# Altium PCB PCB-6P.PcbDoc
Units mm, origin at the board's own origin, x right, y up, seen from the top; angles counter-clockwise.
Board outline 90.04 x 64.01 mm, 2 copper layers (Top Layer, Bottom Layer); 82 components, 58 nets, 348 pads, 309 vias.
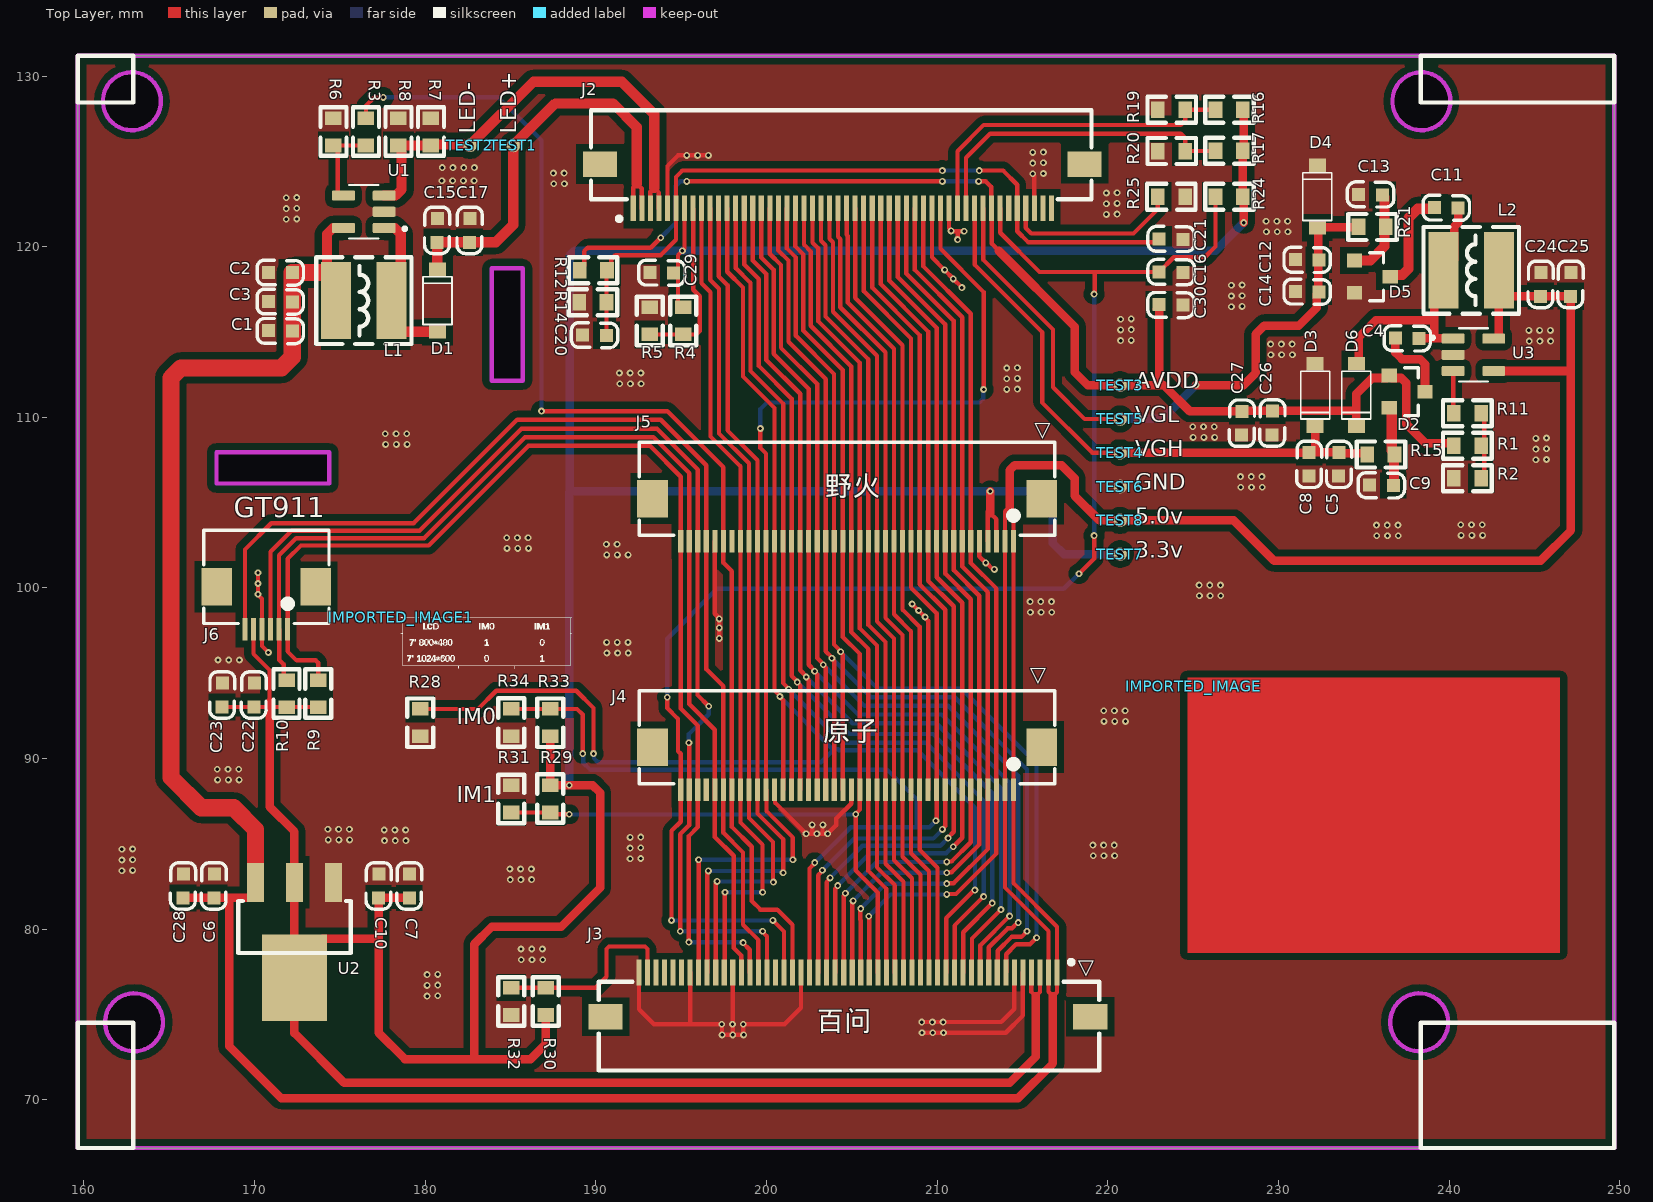
[diagram p0: Top Layer view]
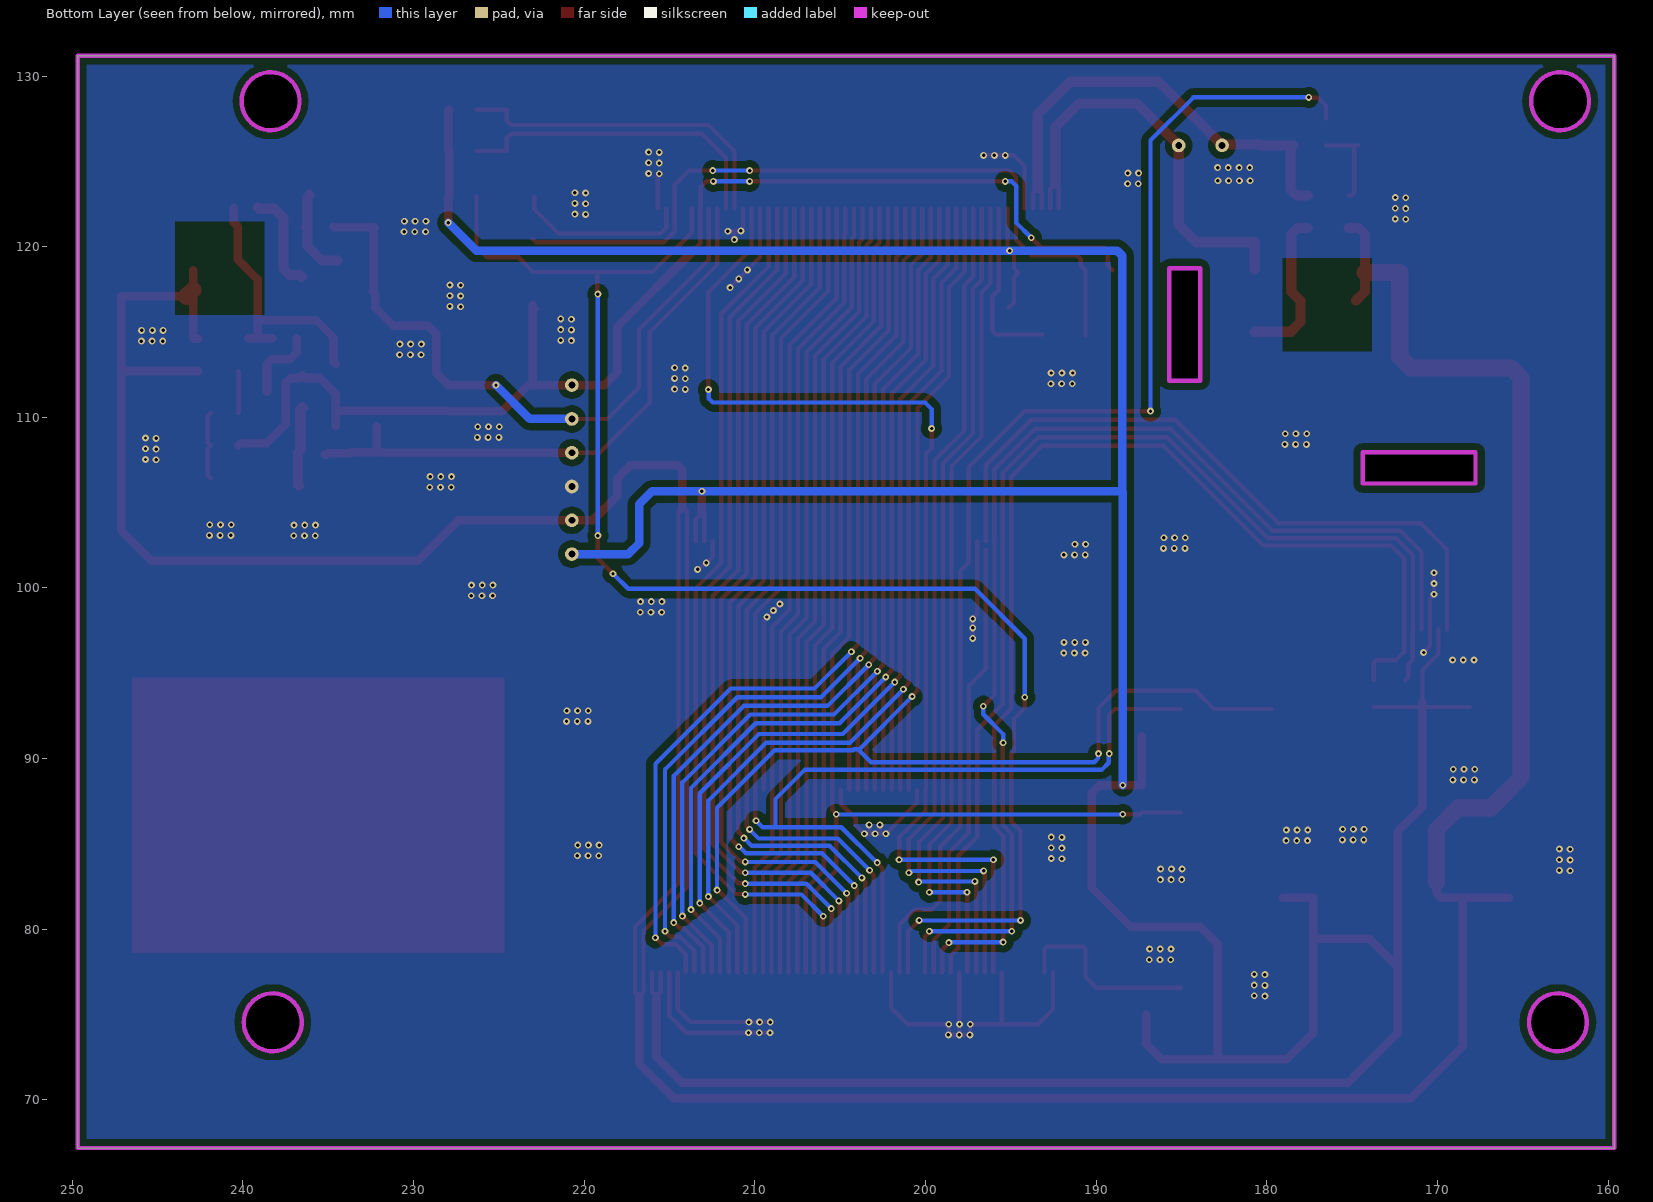
[diagram p1: Bottom Layer view, seen from below]
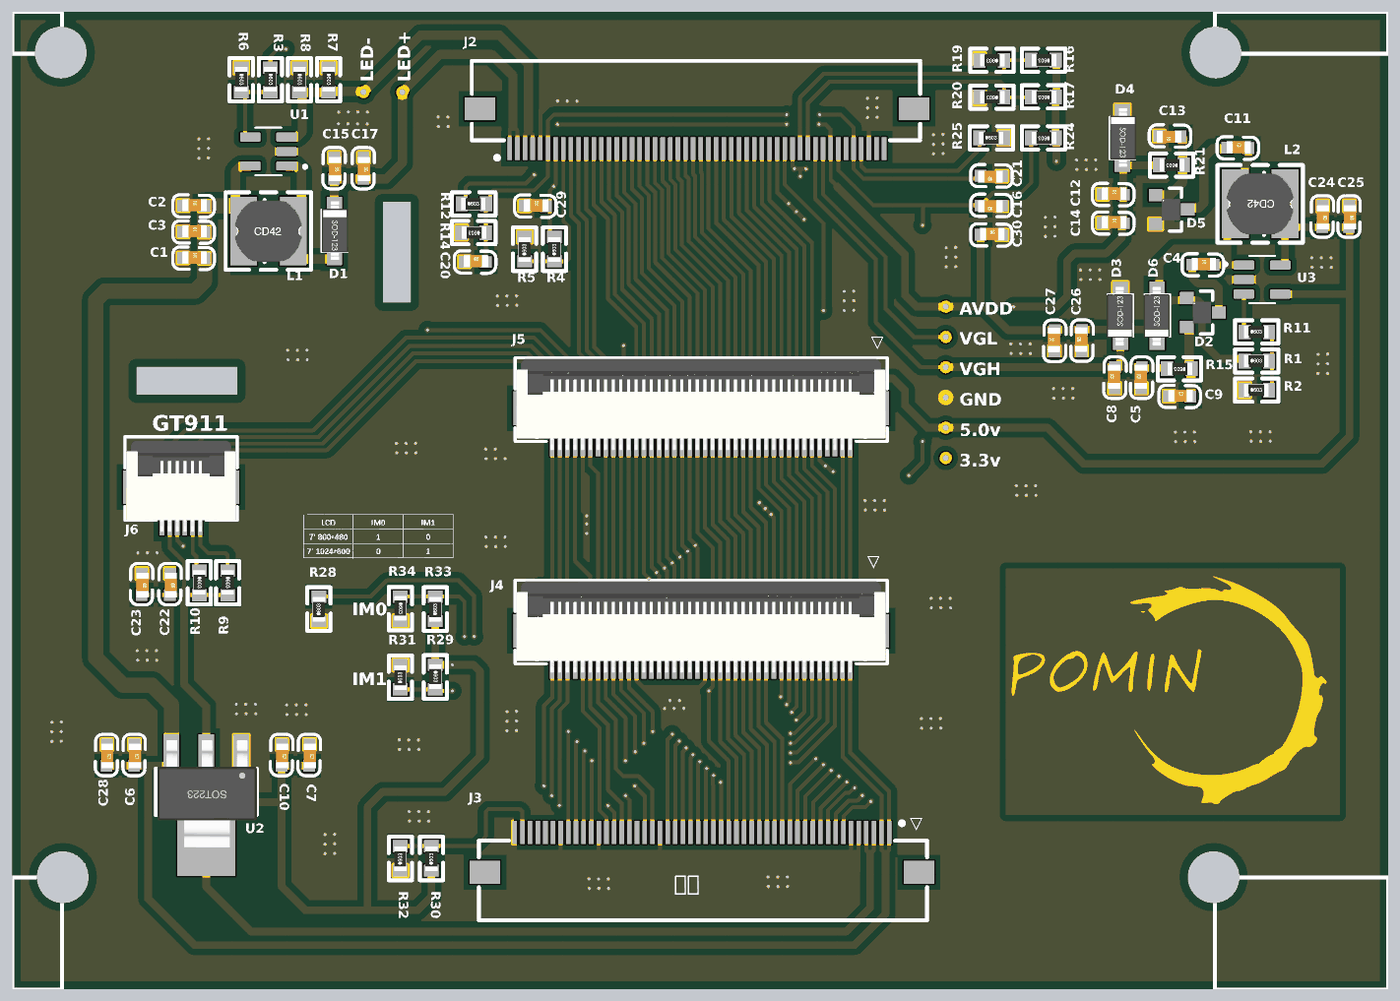
[diagram p2: 3D render of the assembled board from above, using the file's embedded part models]

## Layer stack, top to bottom
Top Solder: solder mask 0.0102, Solder Resist, Dk 3.5
Top Layer: signal copper 0.0356
Dielectric 1: dielectric 0.32, FR-4, Dk 4.8
Bottom Layer: signal copper 0.0356
Bottom Solder: solder mask 0.0102, Solder Resist, Dk 3.5

## Board outline
159.639,67.183 159.639,131.191 249.682,131.191 249.682,67.183
cut-out: 161.114,128.524 ccw(c162.814,128.524) 162.814,126.824 ccw(c162.814,128.524) 164.514,128.524 ccw(c162.814,128.524) 162.814,130.224 ccw(c162.814,128.524)
cut-out: 236.552,74.549 ccw(c238.252,74.549) 238.252,72.849 ccw(c238.252,74.549) 239.952,74.549 ccw(c238.252,74.549) 238.252,76.249 ccw(c238.252,74.549)
cut-out: 236.679,128.524 ccw(c238.379,128.524) 238.379,126.824 ccw(c238.379,128.524) 240.079,128.524 ccw(c238.379,128.524) 238.379,130.224 ccw(c238.379,128.524)
cut-out: 161.241,74.549 ccw(c162.941,74.549) 162.941,72.849 ccw(c162.941,74.549) 164.641,74.549 ccw(c162.941,74.549) 162.941,76.249 ccw(c162.941,74.549)
cut-out: 167.767,106.12 167.767,107.95 174.371,107.95 174.371,106.12
cut-out: 183.896,112.141 185.726,112.141 185.726,118.745 183.896,118.745

## Design rules (kind name [scope] priority, off if disabled: settings)
Clearance Clearance_1 [InPolygon] p1: gap=0.4 ignorepadtopadclearanceinfootprint=FALSE
Clearance [All] p2: gap=0.18 ignorepadtopadclearanceinfootprint=FALSE
HoleSize [All] p1: absolutevalues=TRUE maxlimit=10 minlimit=0.025 maxpercent=80.000 minpercent=20.000
PolygonConnect [All] p1: connectstyle=Direct reliefconductorwidth=0.254 reliefentries=4 polygonreliefangle="90 Angle" airgapwidth=0.254
RoutingVias [All] p1: holewidth=0.2 width=0.4 viastyle="Through Hole" minholewidth=0.1 minwidth=0.2 maxholewidth=1 maxwidth=1
SolderMaskExpansion [All] p1: expansion=0.102 istentingtop=FALSE
Width [All] p1: maxlimit=1 minlimit=0.254 preferedwidth=0.254 minimp=50.000000 maximp=50.000000 favimp=50.000000
29 further rules are at their usual default settings.

## Components (designator, comment, footprint, x,y, rotation, side; value= is the part's Value field where it differs from the comment)
C1 "10u" 0603C 170.81,115.09 r0 top
C2 "10u" 0603C 170.81,118.51 r0 top
C3 "100n" 0603C 170.81,116.805 r0 top
C4 "100n" 0603C 236.85,114.657 r0 top
C5 "1u" 0603C 233.519,106.543 r90 top
C6 "10u" 0603C 167.649,83.241 r270 top
C7 "100n" 0603C 179.104,83.241 r270 top
C8 "100n" 0603C 231.772,106.543 r90 top
C9 "1u" 0603C 235.331,106.045 r0 top
C10 "10u" 0603C 177.302,83.241 r270 top
C11 "100n" 0603C 239.136,122.31 r0 top
C12 "1u" 0603C 230.982,119.259 r0 top
C13 "1u" 0603C 236.098,123.029 r180 top
C14 "100n" 0603C 230.982,117.389 r0 top
C15 "1u" 0603C 180.73,121.659 r270 top
C16 "100n" 0603C 224.413,118.483 r180 top
C17 "100n" 0603C 182.635,121.659 r270 top
C20 "100n" 0603C 189.226,114.842 r0 top
C21 "100n" 0603C 224.414,120.42 r180 top
C22 "10u" 0603C 169.996,94.429 r270 top
C23 "100n" 0603C 168.135,94.429 r270 top
C24 "10u" 0603C 245.398,118.496 r270 top
C25 "100n" 0603C 247.151,118.496 r270 top
C26 "100n" 0603C 229.616,108.966 r90 top
C27 "10u" 0603C 227.829,108.951 r90 top
C28 "100n" 0603C 165.843,83.241 r270 top
C29 "100n" 0603C 193.162,118.5 r0 top
C30 "100u" 0603C 223.007,116.616 r0 top
D1 "SS54" SOD-123 180.721,115.062 r90 top
D2 "BAV99" SOT23-3 237.49,111.506 r270 top
D3 "SS54" SOD-123 232.156,113.081 r270 top
D4 "SS54" SOD-123 232.283,121.158 r90 top
D5 "BAV99" SOT23-3 235.458,118.244 r270 top
D6 "SS54" SOD-123 234.569,113.081 r270 top
IMPORTED_IMAGE "Comment" IMPORTED_IMAGE 225.044,94.234 r0 top
IMPORTED_IMAGE1 "Comment" IMPORTED_IMAGE 178.562,98.298 r0 top (schematic designator IMPORTED_IMAGE)
J2 "50PIN0.5后压" FPC-SMD_KH-FG0.5-H2.0-50PIN 204.446,123.541 r0 top
J3 "50PIN0.5后压" FPC-SMD_KH-FG0.5-H2.0-50PIN 204.776,76.17 r180 top
J4 "FPC0.5-40P" FPC0.5-40P 204.724,90.678 r180 top
J5 "FPC0.5-40P" FPC0.5-40P 204.724,105.24 r180 top
J6 "FPC0.5-6P" FPC0.5-6P 170.688,100.076 r180 top
L1 "10uH" CD42 176.403,116.84 r0 top
L2 "10uH" CD42 241.3,118.618 r180 top
R1 "100k" 0603R 240.284,108.331 r0 top
R2 "15k" 0603R 240.284,106.426 r0 top
R3 "10k" 0603R 176.53,127.533 r270 top
R4 "0R" 0603R 195.117,114.859 r90 top
R5 "NC" 0603R 193.167,114.859 r90 top
R6 "47k" 0603R 174.625,127.533 r270 top
R7 "4.7R" 0603R 180.34,127.533 r270 top
R8 "4.7R" 0603R 178.435,127.533 r270 top
R9 "10k" 0603R 173.736,94.603 r270 top
R10 "10k" 0603R 171.875,94.603 r270 top
R11 "100k" 0603R 240.284,110.236 r0 top
R12 "10k" 0603R 189.052,118.618 r0 top
R14 "4.7k" 0603R 190.627,116.739 r180 top
R15 "1.2K" 0603R 236.804,107.823 r180 top
R16 "10k" 0603R 227.914,128.025 r180 top
R17 "NC" 0603R 227.914,125.621 r180 top
R19 "NC" 0603R 224.536,128.016 r180 top
R20 "10k" 0603R 224.536,125.603 r180 top
R21 "2K" 0603R 236.296,121.158 r180 top
R24 "10K" 0603R 227.914,122.936 r180 top
R25 "10k" 0603R 222.936,122.936 r0 top
R28 "10k" 0603R 179.705,91.313 r90 top
R29 "10k" 0603R 187.325,88.443 r270 top
R30 "NC" 0603R 187.071,74.981 r90 top
R31 "10k" 0603R 185.039,86.843 r90 top
R32 "10k" 0603R 185.039,74.981 r90 top
R33 "10k" 0603R 187.325,91.313 r90 top
R34 "10k" 0603R 185.039,92.913 r270 top
TEST1 "TEST" "TEST SMALL" 185.166,125.933 r180 top
TEST2 "TEST" "TEST SMALL" 182.62,125.939 r180 top
TEST3 "TEST" "TEST SMALL" 220.726,111.887 r180 top
TEST4 "TEST" "TEST SMALL" 220.726,107.927 r180 top
TEST5 "TEST" "TEST SMALL" 220.726,109.907 r180 top
TEST6 "TEST" "TEST SMALL" 220.726,105.947 r0 top
TEST7 "TEST" "TEST SMALL" 220.726,101.987 r0 top
TEST8 "TEST" "TEST SMALL" 220.726,103.967 r0 top
U1 "MP3302" SOT95P280X100-5N 176.403,122.047 r180 top
U2 "AMS1117" SOT223 172.339,82.753 r180 top
U3 "TPS61040" SOT95P280X100-5N 241.427,113.665 r0 top

## Footprints (in the part's own frame and the unit in brackets; to place one, negate y for a bottom-side part, rotate by r counter-clockwise, add the part's x,y. Pads: shape width x height; smd on the part's side, far side on the other; paste and mask are expansions set on the pad)
0603C [mil]
  rect 30x30 smd: 1(0.21,-0.35) 2(55.21,-1.35)
  silkscreen extent -26,-30 81,28, body extent -1,-15 62,17, height 12
0603R [mm]
  rect 0.8x0.965 smd: 1(0,0) 2(1.6,0)
  silkscreen extent -0.64,-0.76 2.21,0.76, body extent -0.04,-0.41 1.56,0.41, height 0.45
CD42 [mm] "4.5*4*2mm（长宽高）"
  rect 1.75x4.5 smd: 1(-1.625,0) 2(1.625,0)
  silkscreen extent -2.79,-2.54 2.79,2.54, body extent -2.21,-2 2.21,2, height 2.1
FPC0.5-6P [mm]
  rect 1.8x2.2 smd: 0(-2.9,0) 0(2.9,0)
  rect 0.3x1.3 smd: 1(-1.25,2.497) 2(-0.75,2.497) 3(-0.25,2.497) 4(0.25,2.497) 5(0.75,2.497) 6(1.25,2.497)
  silkscreen extent -3.67,-3.3 3.67,2.16, body extent -3.6,-3.05 3.6,2.95, height 2
FPC0.5-40P [mm]
  rect 1.8x2.2 smd: 0(-11.4,0) 0(11.4,0)
  rect 0.3x1.3 smd: 1(-9.75,2.497) 2(-9.25,2.497) 3(-8.75,2.497) 4(-8.25,2.497) 5(-7.75,2.497) 6(-7.25,2.497) 7(-6.75,2.497) 8(-6.25,2.497) 9(-5.75,2.497) 10(-5.25,2.497) 11(-4.75,2.497) 12(-4.25,2.497) 13(-3.75,2.497) 14(-3.25,2.497) 15(-2.75,2.497) 16(-2.25,2.497) 17(-1.75,2.497) 18(-1.25,2.497) 19(-0.75,2.497) 20(-0.25,2.497) 21(0.25,2.497) 22(0.75,2.497) 23(1.25,2.497) 24(1.75,2.497) 25(2.25,2.497) 26(2.75,2.497) 27(3.25,2.497) 28(3.75,2.497) 29(4.25,2.497) 30(4.75,2.497) 31(5.25,2.497) 32(5.75,2.497) 33(6.25,2.497) 34(6.75,2.497) 35(7.25,2.497) 36(7.75,2.497) 37(8.25,2.497) 38(8.75,2.497) 39(9.25,2.497) 40(9.75,2.497)
  silkscreen extent -12.17,-3.3 12.17,2.16, body extent -12.09,-3.23 12.11,2.77, height 2
FPC-SMD_KH-FG0.5-H2.0-50PIN [mm]
  rect 0.3x1.5 smd: 1(-12.25,-1.3) 2(-11.75,-1.3) 3(-11.25,-1.3) 4(-10.75,-1.3) 5(-10.25,-1.3) 6(-9.75,-1.3) 7(-9.25,-1.3) 8(-8.75,-1.3) 9(-8.25,-1.3) 10(-7.75,-1.3) 11(-7.25,-1.3) 12(-6.75,-1.3) 13(-6.25,-1.3) 14(-5.75,-1.3) 15(-5.25,-1.3) 16(-4.75,-1.3) 17(-4.25,-1.3) 18(-3.75,-1.3) 19(-3.25,-1.3) 20(-2.75,-1.3) 21(-2.25,-1.3) 22(-1.75,-1.3) 23(-1.25,-1.3) 24(-0.75,-1.3) 25(-0.25,-1.3) 26(0.25,-1.3) 27(0.75,-1.3) 28(1.25,-1.3) 29(1.75,-1.3) 30(2.25,-1.3) 31(2.75,-1.3) 32(3.25,-1.3) 33(3.75,-1.3) 34(4.25,-1.3) 35(4.75,-1.3) 36(5.25,-1.3) 37(5.75,-1.3) 38(6.25,-1.3) 39(6.75,-1.3) 40(7.25,-1.3) 41(7.75,-1.3) 42(8.25,-1.3) 43(8.75,-1.3) 44(9.25,-1.3) 45(9.75,-1.3) 46(10.25,-1.3) 47(10.75,-1.3) 48(11.25,-1.3) 49(11.75,-1.3) 50(12.25,-1.3)
  rect 2x1.5 smd: 51(14.2,1.3) 52(-14.2,1.3)
  silkscreen extent -14.73,-2.03 14.6,4.45
IMPORTED_IMAGE [mm]
SOD-123 [mm] "塑封二极管"
  rect 0.8x1 smd: A(-0.051,0) K(3.607,0)
  silkscreen extent 0.38,-0.85 3.18,0.85, body extent -0.12,-0.89 3.73,0.81, height 1.43
SOT23-3 [mm]
  rect 0.8x0.9 smd: 1(-0.95,-1) 2(0.95,-1) 3(0,1.1)
  silkscreen extent -1.4,-0.1 1.4,0.7, body extent -0.7,-0.6 0.7,0.6, height 0.5
SOT95P280X100-5N [mm]
  rrect25% 1.34x0.59 smd: 1(-1.19,0.95) 2(-1.19,0) 3(-1.19,-0.95) 4(1.19,-0.95) 5(1.19,0.95)
  silkscreen extent -2.5,-1.56 0.85,1.56
SOT223 [mil]
  rect 40x90 smd: 1(-90,0) 2(0,0) 3(90,0)
  rect 150x200 smd: 2(0,220)
  silkscreen extent -130,43 130,163, body extent -130,-30 126,246, height 65
"TEST SMALL" [mm] "测试环"
  round 0.8 hole 0.4: 1(0,0)

## Part data
C1 C2 C3 C4 C5 C6 C7 C8 C9 C10 C11 C12 C13 C14 C15 C16 C17 C20 C21 C22 C23 C24 C25 C26 C27 C28 C29 C30: library part CAP, "无极性电容"
D1 D3 D4 D6: library part "DIODE SCHOTTKY", "肖特基二极管"
D2 D5: "Two small signal silicon diodes connected anode to cathode.<br> Connections to all three nodes available.<br> DIO-10647", Package=None, Availability=Unavailable, MF="{'manufacturer': u'ON Semiconductor'}", MP=BAV99, Price=None
J2 J3: BOM_JLCPCB Part Class="Extended Part", BOM_Manufacturer=null, BOM_Manufacturer Part=50PIN0.5后压, BOM_Supplier=LCSC, BOM_Supplier Part=C9900011403, Contributor=LCSC, spicePre=C, spiceSymbolName=50PIN0.5后压
J4 J5 J6: "贴片"
L1 L2: library part INDUCTOR, "INDUCTOR"
R1 R2 R3 R4 R5 R6 R7 R8 R9 R10 R11 R12 R14 R15 R16 R17 R19 R20 R21 R24 R25 R28 R29 R30 R31 R32 R33 R34: library part RES
TEST1 TEST2 TEST3 TEST4 TEST5 TEST6 TEST7 TEST8: "测试针", BOM名称=耳机插座, 学习资源=www.ooocke.com, 版权归属=源创客
U1: Package=None, Availability=Unavailable, MF="{'manufacturer': u'Texas Instruments'}", MP=TPS563201DDCR, Price=None
U2: "三端稳压芯片"
U3: library part MP1541, Package=None, Availability=Unavailable, MF="{'manufacturer': u'Texas Instruments'}", MP=TPS563201DDCR, Price=None

## Via types
v1: diameter 0.4, hole 0.2, Top Layer to Bottom Layer, tented both sides, 309 vias

## Nets (pads, with @x,y where several pads share a name; then routed paths per layer and width w, separated by ;. In a path a pad name is that pad's centre, name@x,y a point inside that pad or via, vN(x,y) a via of type N, cw(c..) or ccw(c..) an arc to the next point about the centre after c; other vN are vias at no path point)
AVDD: C26.2 C27.2 C30.1 D2.1 D6.K J2.43 R1.1 R12.1 TEST3.1 | length 74.8
  Top Layer w0.254: R12.1 189.325,118.891 189.325,119.739 189.527,119.941 193.22,119.941 v1(193.802,120.523) ; v1(195.326,123.825) v1(210.312,123.825) ; v1(212.431,123.825) 212.852,123.825 213.173,123.504 J2.43@213.173,122.264 ; J2.43 213.196,120.179 213.614,119.761 ; C30.1@222.758,116.353 C30.1
  Top Layer w0.5: 213.614,119.761 218.059,115.316 218.059,112.649 218.821,111.887 TEST3.1 223.012,111.887 ; C30.1 223.012,111.887 ; 234.526,110.396 229.65,110.396 227.906,110.396 C27.2 224.799,110.354 223.266,111.887 223.012,111.887 ; D6.K 234.569,110.396 234.569,111.379 235.496,112.306 236.34,112.306 D2.1 236.64,112.306 237.197,112.306 237.49,112.013 237.49,109.609 238.614,108.485 240.134,108.485 240.284,108.335 R1.1
  Bottom Layer w0.254: v1(193.802,120.523) 194.691,121.412 194.691,123.571 194.945,123.825 v1(195.326,123.825) ; v1@210.272,123.825 v1(210.312,123.825) v1(212.431,123.825)
CTP-INT: J3.35 J4.39 J5.38 J6.3 | length 68.9
  Top Layer w0.254: J6.3 170.938,102.121 172.174,103.357 179.667,103.357 185.641,109.331 193.581,109.331 195.974,106.938 J5.38 ; v1(194.945,79.883) 194.945,85.577 195.474,86.106 J4.39 195.474,90.911 v1(195.453,90.932) ; J5.38@195.961,102.73 195.961,93.726 v1(196.613,93.074) ; v1(199.771,79.883) 199.771,79.843 200.03,79.585 J3.35@200.03,77.474
  Bottom Layer w0.254: v1(194.945,79.883) v1(199.771,79.883) ; v1(195.453,90.932) 195.453,91.44 196.613,92.6 v1(196.613,93.074)
CTP-RST: J3.36 J4.35 J5.37 J6.6 | length 66.4
  Top Layer w0.254: J6.6 169.438,102.255 170.974,103.791 179.324,103.791 185.388,109.855 193.802,109.855 196.469,107.188 J5.37@196.469,102.748 ; J5.37@196.474,102.235 196.474,95.245 197.474,94.245 J4.35 197.474,85.653 198.628,84.499 198.628,80.264 199.526,79.366 J3.36
CTP-SCL: J3.37 J4.38 J5.40 J6.1 R9.1 | length 68
  Top Layer w0.254: R9.1 173.736,95.609 173.587,95.758 172.466,95.758 171.938,96.286 J6.1 171.938,101.707 172.72,102.489 180.213,102.489 186.055,108.331 193.167,108.331 194.974,106.524 J5.40 194.974,92.935 195.974,91.935 J4.38 195.974,85.992 195.453,85.471 v1(195.453,79.248) ; v1(198.628,79.222) 198.628,79.197 199.026,78.799 J3.37
  Bottom Layer w0.254: v1(195.453,79.248) 195.466,79.235 198.615,79.235 v1(198.628,79.222)
CTP-SDA: J3.38 J4.36 J5.39 J6.2 R10.1 | length 65.8
  Top Layer w0.254: J6.2 171.438,101.914 172.447,102.923 179.94,102.923 185.848,108.831 193.374,108.831 195.474,106.731 J5.39 195.474,93.197 196.974,91.697 J4.36 196.974,85.412 198.079,84.307 198.079,78.908 198.526,78.461 J3.38 ; J6.2@171.45,97.567 171.45,95.779 171.704,95.525 171.704,94.774 R10.1
DISP: J5.34
DITHB: J2.47 R25.1 | length 10.3
  Top Layer w0.254: J2.47 215.196,121.1 215.519,120.777 221.504,120.777 222.936,122.209 R25.1
GND: C1.1 C2.1 C3.1 C5.1 C6.1 C7.1 C8.1 C9.1 C10.1 C12.1 C13.2 C14.1 C15.1 C16.1 C17.1 C20.1 C21.1 C22.1 C23.1 C24.1 C25.1 C26.1 C27.1 C28.1 C29.1 C30.2 D3.A D4.K D5.2 J2.5 J2.36 J2.38 J2.48 J3.5 J3.6 J3.31 J3.39 J3.44 J3.50 J4.11 J4.20 J4.29 J5.5 J5.36 J6.4 R2.1 R5.2 R6.1 R7.1 R8.1 R14.2 R19.2 R20.2 R25.2 R28.1 R31.2 R32.1 R34.2 TEST6.1 U1.2 U2.1 U3.2 | length 87.3
  Top Layer w0.254: v1(170.204,100.892) v1(170.204,100.264) v1(170.204,99.635) 170.204,99.595 170.438,99.362 J6.4 170.438,96.599 v1(170.815,96.222) ; J3.50 192.526,75.317 193.408,74.435 195.526,74.435 ; J2.5 194.196,124.727 194.818,125.349 v1(195.326,125.349) v1(195.961,125.349) v1(196.596,125.349) ; J3.44 195.526,74.435 ; J5.36 196.974,98.488 197.231,98.231 v1(197.231,98.191) v1(197.231,97.663) v1(197.231,97.048) ; J3.39@198.018,77.462 198.018,74.443 v1(198.01,74.435) 198.019,74.426 198.019,73.82 v1(198.028,73.811) ; J4.29@200.497,88.158 200.497,87.424 v1(202.324,85.598) ; J3.31 202.026,75.407 201.054,74.435 v1(198.639,74.435) 198.648,74.426 198.648,73.82 v1(198.657,73.811) v1(198.028,73.811) ; v1(202.324,85.598) 202.692,85.598 ; v1(202.676,86.117) 202.692,86.101 202.692,85.598 ; v1(203.304,86.117) 203.28,86.093 203.28,85.598 ; J4.20@204.978,88.177 204.963,88.162 204.963,87.361 204.089,86.487 204.089,86.106 v1(203.581,85.598) 203.28,85.598 ; v1(208.534,99.06) v1(208.915,98.679) v1(209.296,98.298) 209.296,98.258 209.474,98.08 J4.11 ; v1(209.097,74.562) v1(209.725,74.562) v1(210.354,74.562) 213.754,74.562 214.526,75.334 J3.6 ; v1(209.115,73.938) v1(209.743,73.938) v1(210.372,73.938) 214.019,73.938 215.026,74.945 J3.5 ; J2.36 209.696,119.381 v1(210.439,118.638) 210.439,118.628 210.947,118.12 v1(210.947,118.11) v1(211.455,117.602) ; J2.38 210.696,121.088 210.82,120.964 v1(210.82,120.924) 210.83,120.914 211.201,120.914 ; v1(211.201,120.416) 211.201,120.914 ; v1(211.582,120.904) 211.572,120.914 211.201,120.914 ; J5.5 212.474,101.851 v1(212.852,101.473) 212.892,101.473 213.245,101.12 213.332,101.12 v1(213.36,101.092) ; v1(215.605,124.27) 215.605,124.231 215.696,124.14 J2.48 ; 195.526,74.435 v1(197.382,74.435) 197.391,74.426 197.391,73.82 v1(197.4,73.811) v1(198.028,73.811) ; 202.692,85.598 v1(202.952,85.598) 203.28,85.598
  other v1: 180.11,76.084 180.734,76.102 180.11,76.713 180.734,76.731 180.11,77.341 180.734,77.359 185.632,78.219 186.261,78.219 186.889,78.219 185.614,78.843 186.243,78.843 186.871,78.843 184.982,82.909 185.611,82.909 186.239,82.909 162.231,83.431 162.855,83.449 184.964,83.533 185.593,83.533 186.221,83.533 162.231,84.06 162.855,84.078 192.011,84.129 192.635,84.147 219.145,84.306 219.774,84.306 220.402,84.306 162.231,84.689 162.855,84.707 192.011,84.757 192.635,84.775 219.127,84.93 219.756,84.93 220.384,84.93 177.616,85.195 178.245,85.195 178.873,85.195 174.317,85.241 174.945,85.241 175.574,85.241 192.011,85.386 192.635,85.404 177.598,85.819 178.227,85.819 178.855,85.819 174.299,85.865 174.927,85.865 175.556,85.865 167.837,88.751 168.466,88.751 169.094,88.751 167.819,89.375 168.448,89.375 169.076,89.375 219.78,92.18 220.409,92.18 221.037,92.18 219.762,92.804 220.391,92.804 221.019,92.804 167.859,95.782 168.487,95.782 169.116,95.782 190.647,96.191 191.276,96.191 191.905,96.191 190.629,96.815 191.258,96.815 191.887,96.815 215.465,98.576 216.093,98.576 216.722,98.576 215.447,99.2 216.075,99.2 216.704,99.2 225.368,99.546 225.997,99.546 226.625,99.546 225.35,100.17 225.979,100.17 226.607,100.17 190.637,101.94 191.266,101.94 191.895,101.94 184.795,102.321 185.424,102.321 186.053,102.321 190.619,102.564 191.248,102.564 184.777,102.945 185.406,102.945 186.035,102.945 235.766,103.059 236.395,103.059 237.023,103.059 240.706,103.081 241.335,103.081 241.964,103.081 235.748,103.683 236.377,103.683 237.005,103.683 240.688,103.705 241.317,103.705 241.946,103.705 227.796,105.905 228.425,105.905 229.053,105.905 227.778,106.529 228.407,106.529 229.035,106.529 245.088,107.512 245.712,107.53 245.088,108.14 245.712,108.158 177.683,108.417 178.312,108.417 178.941,108.417 245.088,108.769 245.712,108.787 225.002,108.826 225.631,108.826 226.259,108.826 177.665,109.041 178.294,109.041 178.923,109.041 224.984,109.45 225.613,109.45 226.241,109.45 214.081,111.635 214.705,111.653 191.399,111.973 192.028,111.973 192.657,111.973 214.081,112.264 214.705,112.282 191.381,112.597 192.01,112.597 192.639,112.597 214.081,112.893 214.705,112.911 229.562,113.669 230.19,113.669 230.819,113.669 229.544,114.293 230.172,114.293 230.801,114.293 244.696,114.47 245.324,114.47 245.953,114.47 220.75,114.494 221.374,114.512 244.678,115.094 245.306,115.094 245.935,115.094 220.75,115.123 221.374,115.141 220.75,115.751 221.374,115.769 227.246,116.482 227.87,116.5 227.246,117.11 227.87,117.128 227.246,117.739 227.87,117.757 229.299,120.872 229.928,120.872 230.556,120.872 229.281,121.496 229.91,121.496 230.538,121.496 171.855,121.606 172.479,121.624 219.923,121.891 220.547,121.909 171.855,122.235 172.479,122.253 219.923,122.519 220.547,122.537 171.855,122.863 172.479,122.881 219.923,123.148 220.547,123.166 187.531,123.685 188.159,123.685 180.981,123.86 181.61,123.86 182.239,123.86 182.867,123.86 216.229,124.288 187.513,124.309 188.141,124.309 180.999,124.633 181.628,124.633 182.257,124.633 182.885,124.633 215.605,124.899 216.229,124.917 215.605,125.527 216.229,125.545
LCD50V: C1.2 C2.2 C3.2 C6.2 C24.2 C25.2 C28.2 J3.1 J3.2 J4.1 J4.2 J5.1 J5.2 L1.1 L2.1 TEST8.1 U1.5 U2.3 U3.4 U3.5 | length 246.1
  Top Layer w0.254: 213.974,82.444 J4.2 J5.2 213.974,104.5 214.122,104.648 214.249,104.648 214.325,104.648 214.474,104.499 J5.1 J4.1 214.474,82.706 217.026,80.154 J3.1 217.026,76.31 216.789,76.073 216.526,76.336 J3.2 216.526,79.892 213.974,82.444
  Top Layer w0.5: C28.2 168.529,81.839 ; U2.3 170.053,82.118 169.774,81.839 168.529,81.839 ; 214.249,104.648 214.249,106.895 214.542,107.188 217.297,107.188 218.059,106.426 218.059,105.41 219.502,103.967 TEST8.1 227.376,103.967 229.743,101.6 245.364,101.6 247.142,103.378 247.142,112.715 ; 216.789,76.073 216.789,72.136 214.757,70.104 171.561,70.104 168.529,73.136 168.529,81.839 ; U3.4 247.142,112.715 ; U3.5 242.88,114.615 242.925,114.66 242.925,117.094 242.925,117.469 L2.1 ; L2.1@243.3,117.094 C25.2 ; C25.2@247.142,117.094 247.142,112.715
  Top Layer w0.6: L1.1 174.244,117.374 174.244,118.491 174.244,120.741 174.595,121.092 175.208,121.092 U1.5
  Top Layer w1: U2.3 170.053,85.852 168.783,87.122 166.878,87.122 165.1,88.9 165.1,112.317 165.686,112.903 171.577,112.903 172.212,113.538 C1.2 C3.2 C2.2 172.324,118.476 172.339,118.491 L1.1@174.244,118.491 ; L2.1@242.925,117.469 L2.1@243.3,117.094
LCD-D0: J2.19 J3.7 J4.21 J5.22 | length 63
  Top Layer w0.254: J2.19 201.196,119.894 201.724,119.366 201.724,114.778 203.962,112.54 J5.22@203.962,102.755 ; J5.22@203.962,102.731 203.962,96.687 204.343,96.306 v1(204.343,96.266) 204.343,96.226 204.474,96.095 J4.21 ; J3.7@214.049,77.493 214.049,78.54 214.63,79.121 215.446,79.121 v1(215.827,79.502)
  Bottom Layer w0.254: v1(204.343,96.266) 206.502,94.107 211.415,94.107 215.827,89.695 v1(215.827,79.502)
LCD-D1: J2.18 J3.8 J4.22 J5.23 | length 62.5
  Top Layer w0.254: J2.18 200.696,119.78 201.29,119.186 201.29,114.424 203.474,112.24 J5.23 203.474,96.286 203.835,95.925 v1(203.835,95.885) 203.835,95.845 203.974,95.706 J4.22 ; J3.8@213.549,77.493 213.549,78.738 214.366,79.555 214.937,79.555 v1(215.265,79.883)
  Bottom Layer w0.254: v1(203.835,95.885) 206.121,93.599 211.034,93.599 215.265,89.368 v1(215.265,79.883)
LCD-D2: J2.17 J3.9 J4.23 J5.24 | length 61.9
  Top Layer w0.254: J2.17 200.196,119.59 200.856,118.93 200.856,114.071 202.974,111.953 J5.24 202.974,95.897 203.327,95.544 v1(203.327,95.504) 203.327,95.464 203.474,95.317 J4.23 ; J3.9 213.026,78.941 214.147,80.063 214.389,80.063 214.717,80.391 v1(214.757,80.391)
  Bottom Layer w0.254: v1(203.327,95.504) 205.74,93.091 210.653,93.091 214.757,88.987 v1(214.757,80.391)
LCD-D3: J2.16 J3.10 J4.24 J5.25 | length 61.4
  Top Layer w0.254: J2.16 199.696,119.366 200.422,118.64 200.422,113.717 202.474,111.665 J5.25 202.474,95.508 202.819,95.163 v1(202.819,95.123) 202.819,95.083 202.974,94.928 J4.24 ; J3.10 212.526,79.055 214.246,80.775 v1(214.249,80.775)
  Bottom Layer w0.254: v1(202.819,95.123) 205.359,92.583 210.272,92.583 214.249,88.606 v1(214.249,80.775)
LCD-D4: J2.15 J3.11 J4.25 J5.26 | length 61
  Top Layer w0.254: J2.15 199.196,119.193 199.988,118.401 199.988,113.364 201.974,111.378 J5.26 201.974,95.174 202.327,94.821 v1(202.327,94.782) 202.327,94.742 202.474,94.595 J4.25 ; J3.11@212.049,77.493 212.049,79.461 v1(213.741,81.153)
  Bottom Layer w0.254: v1(202.327,94.782) 205.033,92.075 209.947,92.075 213.741,88.281 v1(213.741,81.153)
LCD-D5: J2.14 J3.12 J4.26 J5.27 | length 60.8
  Top Layer w0.254: J2.14 198.696,118.952 199.554,118.094 199.554,113.01 201.474,111.09 J5.27 201.474,94.857 201.803,94.528 v1(201.803,94.488) 201.803,94.448 201.974,94.277 J4.26 ; J3.12 211.526,79.827 v1(213.233,81.534)
  Bottom Layer w0.254: v1(201.803,94.488) 204.851,91.44 209.764,91.44 213.233,87.971 v1(213.233,81.534)
LCD-D6: J2.13 J3.13 J4.27 J5.28 | length 60.3
  Top Layer w0.254: J2.13 198.196,118.744 199.062,117.878 199.062,112.715 200.974,110.803 J5.28 200.974,94.428 201.295,94.107 v1(201.295,94.067) 201.295,94.028 201.474,93.849 J4.27 ; J3.13 211.026,80.216 v1(212.725,81.915)
  Bottom Layer w0.254: v1(201.295,94.067) 204.43,90.932 209.344,90.932 212.725,87.551 v1(212.725,81.915)
LCD-D7: J2.12 J3.14 J4.28 J5.29 R28.2 | length 88.4
  Top Layer w0.254: R28.2 183.096,92.913 184.163,93.98 188.849,93.98 189.865,92.964 v1(189.865,90.297) ; J2.12 197.696,118.537 198.628,117.605 198.628,112.395 200.474,110.549 J5.29 200.474,93.991 200.787,93.678 v1(200.787,93.639) 200.787,93.599 200.974,93.412 J4.28 ; J3.14 210.526,80.643 212.179,82.296 v1(212.217,82.296)
  Bottom Layer w0.254: v1(189.865,90.297) 189.893,90.269 189.893,90.015 190.119,89.789 203.2,89.789 203.962,90.551 ; v1(200.787,93.639) 203.875,90.551 204.198,90.551 204.251,90.498 208.841,90.498 212.217,87.122 v1(212.217,82.296)
LCD-D8: J2.27 J3.15 J4.12 J5.14 | length 46.8
  Top Layer w0.254: J2.27 205.196,117.003 207.974,114.225 J5.14 207.974,98.731 208.974,97.731 J4.12 208.974,84.662 210.026,83.61 J3.15
LCD-D9: J2.26 J3.16 J4.13 J5.15 | length 46.8
  Top Layer w0.254: J2.26 204.696,120.69 204.762,120.624 204.762,116.73 207.474,114.018 J5.15 207.474,98.455 208.474,97.455 J4.13 208.474,84.455 209.526,83.403 J3.16
LCD-D10: J2.25 J3.17 J4.14 J5.16 | length 46.8
  Top Layer w0.254: J2.25 204.196,120.576 204.328,120.444 204.328,116.457 206.974,113.811 J5.16 206.974,98.248 207.974,97.248 J4.14 207.974,84.248 209.026,83.196 J3.17
LCD-D11: J2.24 J3.18 J4.15 J5.17 | length 46.8
  Top Layer w0.254: J2.24 203.696,120.463 203.894,120.265 203.894,116.184 206.474,113.604 206.474,98.041 207.474,97.041 J4.15 207.474,84.041 208.526,82.989 J3.18
LCD-D12: J2.23 J3.19 J4.16 J5.18 | length 46.8
  Top Layer w0.254: J2.23 203.196,120.349 203.46,120.085 203.46,115.911 205.974,113.397 J5.18 205.974,97.834 206.974,96.834 J4.16 206.974,83.834 208.026,82.782 J3.19
LCD-D13: J2.22 J3.20 J4.17 J5.19 | length 46.8
  Top Layer w0.254: J2.22 202.696,120.235 203.026,119.905 203.026,115.638 205.474,113.189 J5.19 205.474,97.627 206.474,96.627 J4.17 206.474,83.627 207.526,82.575 J3.20
LCD-D14: J2.21 J3.21 J4.18 J5.20 | length 46.8
  Top Layer w0.254: J2.21 202.196,120.121 202.592,119.725 202.592,115.364 204.974,112.982 J5.20 204.974,97.42 205.974,96.42 J4.18 205.974,83.42 207.026,82.368 J3.21
LCD-D15: J2.20 J3.22 J4.19 J5.21 R29.2 R31.1 | length 67.2
  Top Layer w0.254: R31.1 R29.2 187.427,86.741 v1(188.443,86.741) ; J2.20 201.696,120.008 202.158,119.546 202.158,115.091 204.474,112.775 J5.21 204.474,97.13 205.474,96.13 205.474,87.023 205.232,86.781 205.232,83.451 206.526,82.157 J3.22
  Bottom Layer w0.254: v1(188.443,86.741) 188.457,86.727 205.218,86.727 v1(205.232,86.741)
LCD-D16: J2.35 J3.23 J4.3 J5.6 | length 51.9
  Top Layer w0.254: v1(205.994,80.763) 206.022,80.735 206.022,80.578 206.026,80.573 J3.23 ; J2.35 209.196,118.845 211.974,116.067 J5.6 211.974,101.462 213.474,99.962 J4.3 213.474,84.442 211.102,82.07 210.594,82.07 v1(210.566,82.042)
  Bottom Layer w0.254: v1(205.994,80.763) 207.273,82.042 v1(210.566,82.042)
LCD-D17: J2.34 J3.24 J4.4 J5.7 | length 52
  Top Layer w0.254: J3.24@205.525,77.471 205.525,80.515 205.486,80.554 205.486,81.07 205.497,81.081 205.497,81.184 v1(205.525,81.212) ; J2.34 208.696,118.638 211.474,115.86 J5.7 211.474,101.255 212.974,99.755 J4.4 212.974,84.704 210.975,82.705 210.594,82.705 v1(210.566,82.677)
  Bottom Layer w0.254: v1(205.525,81.212) 206.99,82.677 v1(210.566,82.677)
LCD-D18: J2.33 J3.25 J4.5 J5.8 | length 52
  Top Layer w0.254: J3.25 205.026,80.994 205.018,81.002 205.018,81.564 205.076,81.621 v1(205.076,81.661) ; J2.33 208.196,118.431 210.974,115.653 J5.8 210.974,101.048 212.474,99.548 J4.5 212.474,84.966 210.848,83.34 210.594,83.34 v1(210.566,83.312)
  Bottom Layer w0.254: v1(205.076,81.661) 206.727,83.312 v1(210.566,83.312)
LCD-D19: J2.32 J3.26 J4.6 J5.9 | length 52.2
  Top Layer w0.254: J3.26 204.526,81.97 204.627,82.071 v1(204.627,82.11) ; J2.32 207.696,118.224 210.474,115.446 J5.9 210.474,100.841 211.974,99.341 J4.6 211.974,85.101 210.848,83.975 210.594,83.975 v1(210.566,83.947)
  Bottom Layer w0.254: v1(204.627,82.11) 206.464,83.947 v1(210.566,83.947)
LCD-D20: J2.31 J3.27 J4.7 J5.10 | length 52.3
  Top Layer w0.254: J3.27 204.026,82.368 204.178,82.52 v1(204.178,82.559) ; J2.31 207.196,118.017 209.974,115.239 J5.10 209.974,100.634 211.474,99.134 J4.7 211.474,85.363 v1(210.947,84.836)
  Bottom Layer w0.254: v1(204.178,82.559) 206.073,84.454 210.525,84.454 210.907,84.836 v1(210.947,84.836)
LCD-D21: J2.30 J3.28 J4.8 J5.11 | length 52.3
  Top Layer w0.254: J3.28 203.526,82.766 203.729,82.969 v1(203.729,83.008) ; J2.30 206.696,117.81 209.474,115.031 J5.11 209.474,100.426 210.974,98.926 J4.8 210.974,85.712 210.645,85.384 v1(210.645,85.344)
  Bottom Layer w0.254: v1(203.729,83.008) 205.609,84.888 210.189,84.888 v1(210.645,85.344)
LCD-D22: J2.29 J3.29 J4.9 J5.12 | length 52.3
  Top Layer w0.254: J3.29 203.026,83.164 203.28,83.418 v1(203.28,83.457) ; J2.29 206.196,117.602 208.974,114.824 J5.12 208.974,100.219 210.474,98.719 J4.9 210.474,86.054 210.312,85.892 v1(210.312,85.852)
  Bottom Layer w0.254: v1(203.28,83.457) 205.145,85.322 209.782,85.322 v1(210.312,85.852)
LCD-D23: J2.28 J3.30 J4.10 J5.13 R33.2 R34.1 | length 81.6
  Top Layer w0.254: R34.1 R33.2 188.9,92.913 189.23,92.583 v1(189.23,90.297) ; J3.30 202.526,83.562 202.831,83.867 v1(202.831,83.906) ; J2.28 205.696,117.395 208.474,114.617 J5.13 208.474,100.012 209.974,98.512 J4.10 209.974,86.443 209.931,86.4 v1(209.931,86.36)
  Bottom Layer w0.254: v1(189.23,90.297) 189.258,90.269 189.258,89.761 189.664,89.355 207.063,89.355 208.788,87.63 208.788,85.979 ; v1(202.831,83.906) 202.86,83.906 204.933,85.979 208.788,85.979 ; v1(209.931,86.36) 209.55,85.979 208.788,85.979
LCD-DE: J2.9 J3.40 J4.33 J5.33 | length 48.4
  Top Layer w0.254: J2.9 196.196,117.858 196.723,117.331 196.723,108.876 198.474,107.125 J5.33 J4.33 198.474,86.26 199.771,84.963 v1(199.771,82.169) ; J3.40@197.549,77.493 197.549,82.146 v1(197.572,82.169)
  Bottom Layer w0.254: v1(197.572,82.169) v1(199.771,82.169)
LCD-HSYNC: J2.11 J3.42 J4.31 J5.31 | length 50.9
  Top Layer w0.254: J3.42 196.526,83.31 196.596,83.38 v1(196.596,83.419) ; J2.11 197.196,118.272 197.723,117.745 197.723,109.236 199.474,107.485 J5.31 J4.31 199.474,86.784 200.974,85.284 v1(200.974,83.312)
  Bottom Layer w0.254: v1(196.596,83.419) 200.827,83.419 200.934,83.312 v1(200.974,83.312)
LCD-ID: J3.49 R30.2 R32.2 | length 11.4
  Top Layer w0.254: R32.2 R30.2 189.992,76.581 190.627,77.216 190.627,78.845 190.776,78.994 192.877,78.994 193.026,78.845 J3.49
LCD-LR: J2.39 R16.2 R19.1 | length 19.9
  Top Layer w0.254: J2.39 211.196,125.598 212.725,127.127 224.282,127.127 224.536,127.381 R19.1 226.305,128.016 R16.2
LCD-PCLK: J2.37 J3.43 J4.30 J5.30 | length 64.8
  Top Layer w0.254: J3.43 v1(196.026,84.074) ; v1(199.644,109.347) 199.644,108.204 199.974,107.874 J5.30 J4.30 ; J4.30@199.997,88.158 199.997,86.923 201.549,85.371 v1(201.549,84.074) ; J2.37 210.196,119.877 212.725,117.348 v1(212.725,111.633)
  Bottom Layer w0.254: v1(196.026,84.074) v1(201.549,84.074) ; v1(199.644,109.347) 199.644,110.49 200.025,110.871 212.471,110.871 212.697,111.097 212.697,111.605 v1(212.725,111.633)
LCD-PWM: J3.32 J4.34 J5.35 R3.1 | length 72
  Top Layer w0.254: R3.1 176.53,128.27 176.982,128.722 177.518,128.722 v1(177.546,128.75) ; v1(186.817,110.363) 194.183,110.363 197.474,107.072 J5.35 197.474,101.484 197.974,100.984 J4.34 197.974,85.998 199.136,84.836 199.136,81.661 199.644,81.153 200.637,81.153 201.526,80.264 J3.32
  Bottom Layer w0.254: v1(177.546,128.75) 184.305,128.75 186.817,126.238 v1(186.817,110.363)
LCD-RESET: C16.2 J2.44 J3.33 J4.40 R24.2 | length 88.6
  Top Layer w0.254: v1(194.183,93.599) 194.183,92.964 194.818,92.329 194.818,90.436 194.974,90.28 J4.40 194.974,86.307 194.437,85.77 v1(194.437,80.518) ; v1(200.379,80.518) 201.026,79.871 J3.33 ; J2.44 213.696,120.822 216,118.518 219.23,118.518 ; v1(218.313,100.838) 219.202,101.727 v1(219.202,103.068) ; v1(219.202,117.221) 219.23,117.249 219.23,118.518 ; R24.2 226.314,120.015 225.679,119.38 223.873,119.38 C16.2 219.23,118.518
  Bottom Layer w0.254: v1(194.183,93.599) 194.183,97.028 197.104,99.949 217.424,99.949 v1(218.313,100.838) ; v1(194.437,80.518) v1(200.379,80.518) ; v1(219.202,103.068) v1(219.202,117.221)
LCD-UD: J2.40 R17.2 R20.1 | length 19
  Top Layer w0.254: J2.40 211.696,125.209 213.106,126.619 224.282,126.619 224.536,126.365 R20.1 226.296,125.603 R17.2
LCD-VSYNC: J2.10 J3.41 J4.32 J5.32 | length 49.7
  Top Layer w0.254: J2.10 196.696,118.065 197.223,117.538 197.223,109.056 198.974,107.305 J5.32 J4.32 198.974,86.522 200.379,85.117 200.379,82.791 v1(200.406,82.764) ; J3.41 197.026,82.686 197.104,82.764 v1(197.104,82.804)
  Bottom Layer w0.254: v1(197.104,82.804) 200.327,82.804 200.366,82.764 v1(200.406,82.764)
LED+: C15.2 C17.2 D1.K J2.1 J2.2 TEST1.1 | length 26.4
  Top Layer w0.254: J2.1 192.196,123.489 192.405,123.698 192.696,123.407 J2.2
  Top Layer w0.6: D1.K 180.708,118.681 180.708,120.244 C15.2 C17.2 184.137,120.256 185.166,121.285 TEST1.1 187.63,128.397 191.008,128.397 192.405,127 192.405,123.698
LED-: J2.3 J2.4 R7.2 R8.2 TEST2.1 U1.3 | length 28
  Top Layer w0.254: J2.3 193.196,123.219 193.421,123.444 193.696,123.169 J2.4
  Top Layer w0.6: U1.3 178.266,122.997 178.617,123.348 R8.2@178.617,125.933 ; R8.2 R7.2 180.391,125.984 182.521,125.984 182.565,125.939 TEST2.1 186.347,129.667 191.516,129.667 193.421,127.762 193.421,123.444
MODE: J2.8 R4.1 R5.1 | length 10.3
  Top Layer w0.254: R5.1 R4.1 195.885,114.859 196.088,115.062 196.088,117.094 195.707,117.475 J2.8@195.707,122.23
NetC4_1: C4.1 D2.3 | length 4.5
  Top Layer w0.5: C4.1 236.855,113.792 237.236,113.411 238.297,113.411 238.59,113.118 D2.3
NetC4_2: C4.2 C11.2 D6.A L2.2 U3.1 | length 16.6
  Top Layer w0.5: D6.A 234.696,113.259 234.696,114.681 235.712,115.697 239.141,115.697 ; C4.2 239.141,114.623 239.65,114.623 239.675,114.648 239.141,114.648 239.141,115.697 ; C11.2 240.538,121.412 240.3,121.174 240.3,119.243 239.141,118.084 239.141,115.697
NetC9_2: C9.2 D2.2 R15.1 | length 4.7
  Top Layer w0.6: D2.2 236.54,110.556 236.64,110.456 236.64,108.069 236.771,107.939 236.771,106.048 C9.2
NetC11_1: C11.1 D5.3 | length 6
  Top Layer w0.6: D5.3 236.658,118.344 237.266,118.344 237.617,118.695 237.617,121.666 238.171,122.22 239.06,122.22 C11.1
NetC13_1: C13.1 D5.1 R21.1 | length 5.2
  Top Layer w0.6: D5.1 235.399,119.194 236.22,120.015 236.22,121.082 R21.1 236.22,121.234 236.22,122.911 C13.1
NetD1_A: D1.A L1.2 U1.1 | length 9.4
  Top Layer w0.6: U1.1 177.598,121.092 178.211,121.092 178.562,120.741 178.562,117.374 L1.2 178.028,115.586 178.603,115.011 D1.A
NetR1_2: R1.2 R2.2 R11.2 | length 4.1
  Top Layer w0.254: R2.2 242.062,106.604 242.062,108.153 R1.2 242.062,108.509 242.062,110.058 R11.2
NetR3_2: R3.2 R6.2 U1.4 | length 5.1
  Top Layer w0.254: R6.2 174.707,125.933 R6.2@174.879,125.933 ; U1.4 175.047,122.997 174.879,123.165 R6.2@174.879,125.933 ; R3.2 R6.2@174.879,125.933
NetR11_1: R11.1 U3.3 | length 2.5
  Top Layer w0.254: U3.3 240.237,110.283 R11.1
VCOM: C20.2 C21.2 J2.6 J2.46 R12.2 R14.1 | length 44.4
  Top Layer w0.254: C20.2 190.629,116.739 190.629,118.618 190.906,118.895 190.906,119.278 191.135,119.507 193.802,119.507 194.696,120.401 J2.6 194.696,124.084 195.072,124.46 v1(210.312,124.46) ; v1(212.471,124.46) 213.868,124.46 214.696,123.632 J2.46 214.696,120.904 215.331,120.269 222.827,120.269 C21.2
  Bottom Layer w0.254: v1(210.312,124.46) v1(212.471,124.46)
VDD33: C7.2 C10.2 C22.2 C23.2 C29.2 J2.7 J3.3 J3.4 J5.3 J5.4 J6.5 R4.2 R9.2 R10.2 R16.1 R17.1 R24.1 R29.1 R30.1 R33.1 TEST7.1 U2.2 | length 261.2
  Top Layer w0.254: C23.2 C22.2 170.879,93.027 171.875,93.027 173.712,93.027 R9.2 ; J6.5 169.938,96.139 170.879,95.198 170.879,93.345 ; R4.2 195.091,116.459 194.818,116.732 194.818,118.212 C29.2 194.818,118.72 194.818,119.507 v1(195.072,119.761) 195.196,119.885 J2.7 ; J5.4 212.974,104.499 ; 213.106,104.394 213.474,104.026 J5.3 ; J3.4 215.526,76.32 215.773,76.073 216.026,76.326 J3.3
  Top Layer w0.5: 170.879,93.345 170.879,93.027 170.879,87.185 172.339,85.725 172.339,82.753 U2.2@172.339,77.8 ; C7.2 C10.2 177.268,79.455 ; R30.1 187.071,73.279 186.182,72.39 182.88,72.39 ; R33.1 R29.1 v1(188.443,88.443) 189.128,88.443 189.814,88.443 190.246,88.011 190.246,82.423 187.96,80.137 183.896,80.137 182.88,79.121 182.88,72.39 ; 213.106,104.394 v1(213.106,105.664) ; 215.773,76.073 215.773,72.517 214.249,70.993 175.26,70.993 172.339,73.914 U2.2@172.339,77.8 ; R17.1@227.914,125.612 R24.1 227.965,122.885 v1(227.965,121.412) ; R17.1 227.965,125.672 227.965,127.974 R16.1 ; U2.2@172.339,77.8 173.994,79.455 177.268,79.455 ; 177.268,79.455 177.268,73.938 178.816,72.39 182.88,72.39
  Bottom Layer w0.5: v1(188.443,88.443) 188.443,105.639 188.468,105.664 ; TEST7.1 217.418,101.987 216.789,102.616 216.789,104.902 216.027,105.664 v1(213.106,105.664) 200.787,105.664 188.468,105.664 ; v1(227.965,121.412) 226.314,119.761 v1(195.072,119.761) 188.761,119.761 188.468,119.468 188.468,105.664
VGH: C5.2 C8.2 D3.K J2.41 R15.2 TEST4.1 | length 34.7
  Top Layer w0.254: J2.41 212.196,118.951 216.154,114.993 216.154,110.871 219.098,107.927 TEST4.1
  Top Layer w0.5: TEST4.1 220.735,107.936 231.797,107.936 C8.2 ; C8.2@231.902,107.945 C8.2@232.156,107.945 ; D3.K C8.2@232.156,107.945 ; C5.2@233.68,107.884 235.016,107.884 235.077,107.823 R15.2 ; C5.2@233.68,107.945 C5.2 C8.2@232.156,107.945
VGL: C12.2 C14.2 D4.A J2.42 R21.2 TEST5.1 | length 39.7
  Top Layer w0.254: J2.42 212.696,119.241 216.789,115.148 216.789,111.76 218.642,109.907 TEST5.1
  Top Layer w0.5: v1(225.171,111.887) 227.965,111.887 228.663,112.585 228.663,114.871 229.171,115.379 231.203,115.379 232.254,116.43 232.254,117.224 C14.2 232.334,117.405 232.334,119.225 232.334,121.056 D4.A 232.308,121.133 234.671,121.133 R21.2
  Bottom Layer w0.5: TEST5.1 223.191,109.907 v1(225.171,111.887)
pads on no net: J2.45 J2.49 J2.50 J2.51 J2.52 J3.34 J3.45 J3.46 J3.47 J3.48 J3.51 J3.52 J4.0 J4.37 J5.0 J6.0

## Polygon pours and split planes (outlines as drawn)
GND on Top Layer "GND_L01_P000" (solid, remove dead copper, pour order 0): 249.682,131.191 249.682,67.183 159.639,67.183 159.639,131.191
GND on Bottom Layer "GND_L02_P002" (solid, remove dead copper, pour order 2): 250.127,131.064 250.127,67.056 160.083,67.056 160.083,131.064

## Keep-outs
Keep-Out Layer:
  circle w0.254: c238.252,74.549 r1.7
  circle w0.254: c162.941,74.549 r1.7
  circle w0.254: c162.814,128.524 r1.7
  circle w0.254: c238.379,128.524 r1.7
  lines w0.254: 159.639,67.183 249.682,67.183 249.682,131.191 159.639,131.191 159.639,67.183 ; 167.767,106.12 167.767,107.95 174.371,107.95 174.371,106.12 167.767,106.12 ; 183.896,112.141 183.896,118.745 185.726,118.745 185.726,112.141 183.896,112.141

## Other copper
Top Layer:
  rectangle: 224.663,78.613 246.507,94.742
  pour cut-out: 214.312,78.359 215.201,78.359 215.201,76.327 214.312,76.327
  pour cut-out: 238.682,121.424 238.694,121.412 243.906,121.412 243.906,115.965 238.682,115.965
  pour cut-out: 173.912,119.41 173.924,119.399 179.136,119.399 179.136,113.952 173.912,113.952
Bottom Layer:
  pour cut-out: 173.846,119.321 173.858,119.309 179.07,119.309 179.07,113.863 173.846,113.863
  pour cut-out: 238.743,121.48 238.755,121.468 243.967,121.468 243.967,116.022 238.743,116.022

## Silkscreen, mask and mechanical layers (free items; w line width, h text height)
Top Overlay:
  lines w0.254: 159.639,67.183 162.885,67.183 162.885,74.529 159.639,74.529 159.639,67.183 ; 159.639,128.445 162.885,128.445 162.885,131.191 159.639,131.191 159.639,128.445 ; 238.336,67.183 249.682,67.183 249.682,74.529 238.336,74.529 238.336,67.183 ; 238.336,128.445 249.682,128.445 249.682,131.191 238.336,131.191 238.336,128.445
  text "LED-" at 183.261,126.619 h1.6 r90
  text "LED+" at 185.674,126.619 h1.6 r90
  text "AVDD" at 221.615,111.379 h1.6
  text "△" at 216.662,109.793 h1.52 r180
  text "VGL" at 221.615,109.402 h1.6
  text "VGH" at 221.615,107.411 h1.6
  text "GND" at 221.615,105.42 h1.6
  text "野火" at 203.454,105.029 h2
  text "GT911" at 168.783,103.77 h2
  text "5.0v" at 221.615,103.428 h1.6
  text "3.3v" at 221.615,101.437 h1.6
  text "△" at 216.408,95.442 h1.52 r180
  text "IM0" at 181.864,91.694 h1.6
  text "原子" at 203.325,90.678 h2
  text "IM1" at 181.864,87.122 h1.6
  text "△" at 219.202,78.297 h1.52 r180
  text "百问" at 202.946,73.66 h2